# Altium PCB MB1363.PcbDoc (part 1 of 7) (continued)
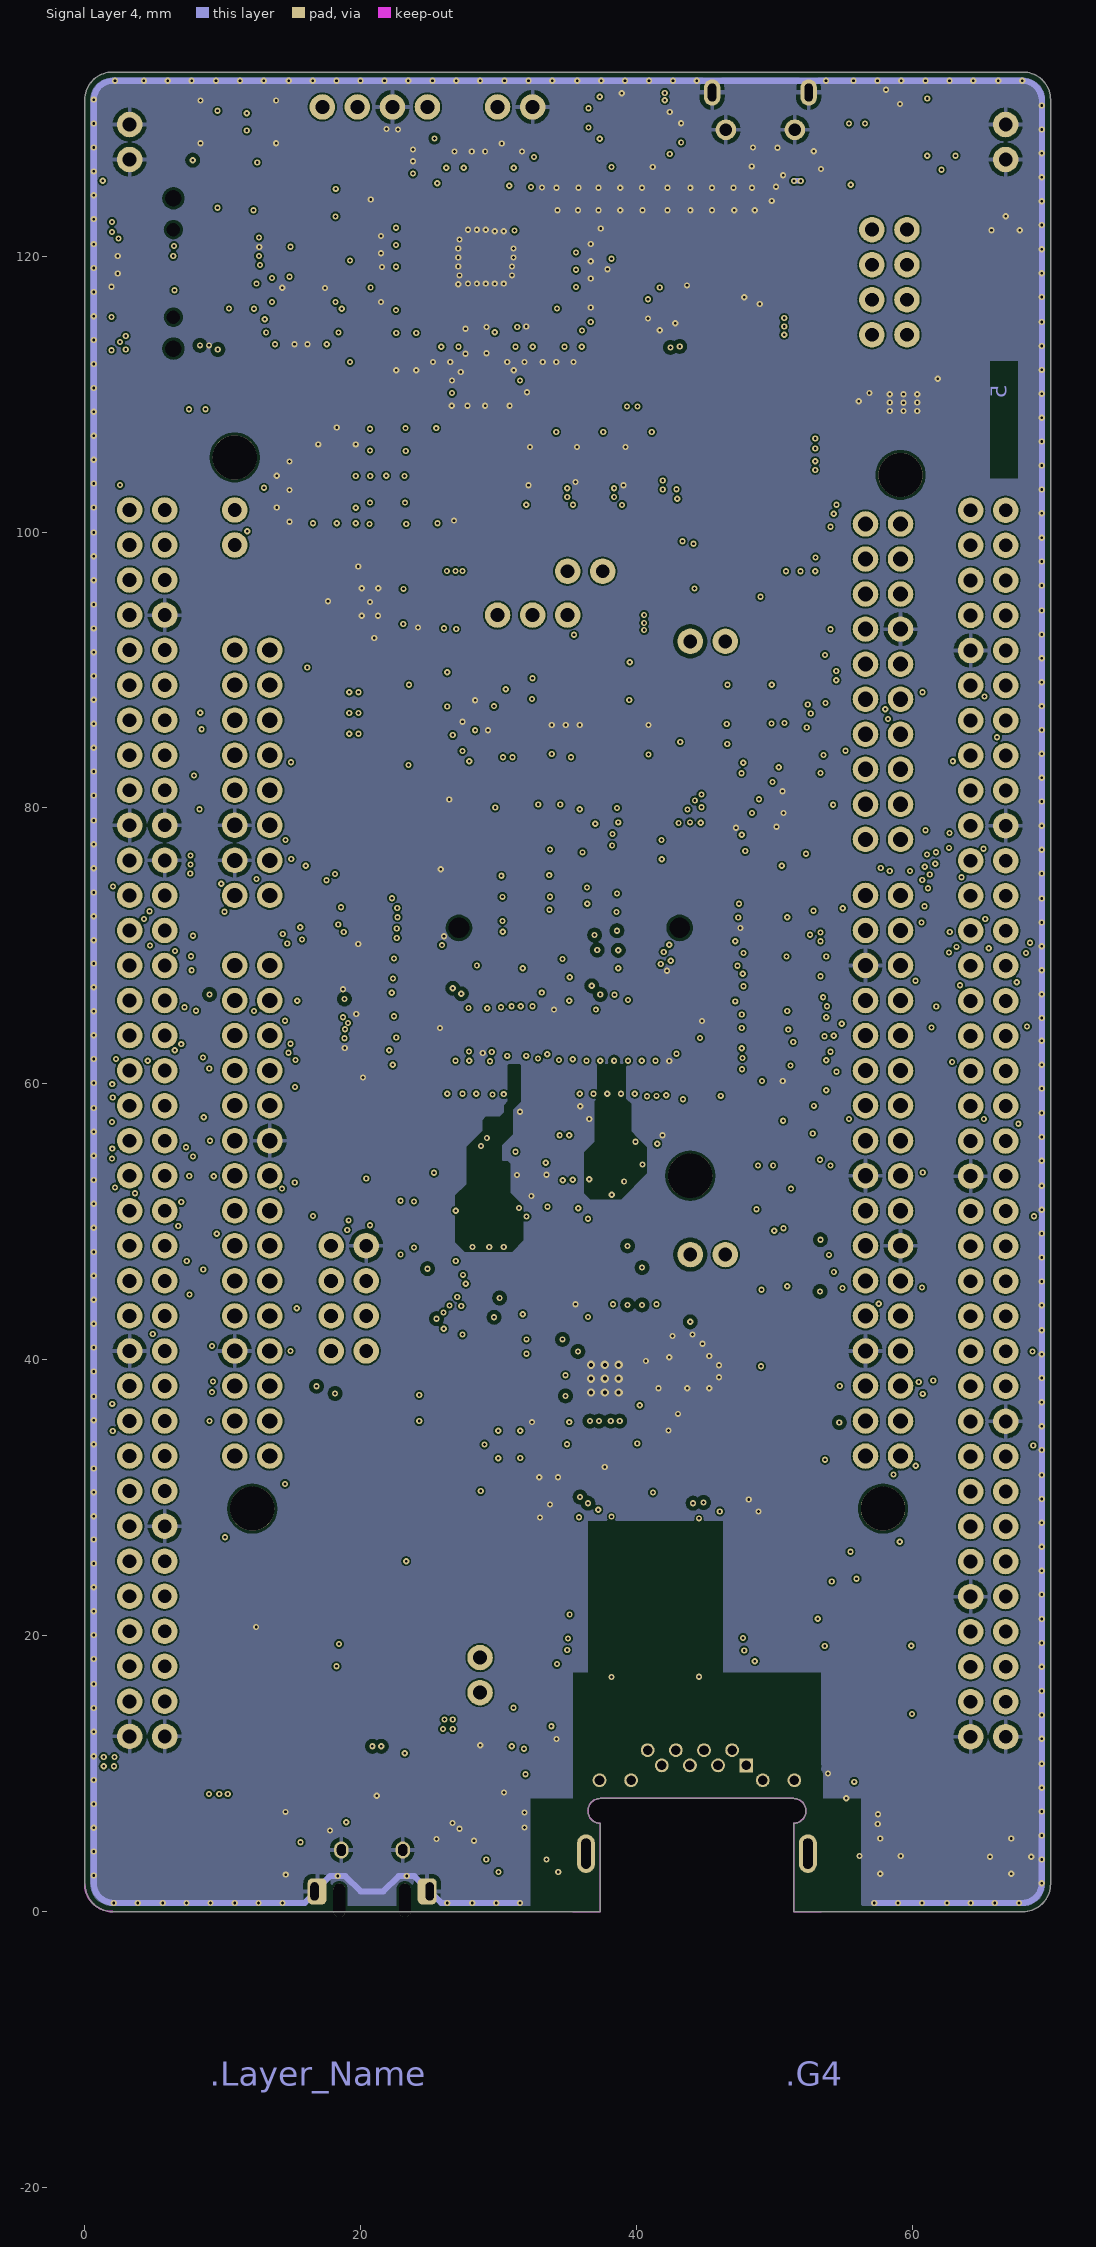
[diagram p5: Signal Layer 4]

## Layer stack, top to bottom
Top Solder: solder mask 0.015, Solder Resist, Dk 3.5
Top Layer: signal copper 0.042
Dielectric 1: prepreg 0.0991, FR-4, Dk 4.2
Signal Layer 1: signal copper 0.0348
Dielectric 2: core 0.1016, Dk 4.2
Signal Layer 2: signal copper 0.0348
Dielectric 3: prepreg 0.9457, Dk 4.2
Signal Layer 3: signal copper 0.0348
Dielectric 4: core 0.1016, Dk 4.2
Signal Layer 4: signal copper 0.0348
Dielectric 5: prepreg 0.0991, Dk 4.2
Bottom Layer: signal copper 0.042
Bottom Solder: solder mask 0.015, Solder Resist, Dk 3.5

## Board outline
0,2 ccw(c2,2) 2,0 37.369,0 37.369,6.4 cw(c37.369,7.3) 36.469,7.3 cw(c37.369,7.3) 37.369,8.2 51.369,8.2 cw(c51.369,7.3) 52.269,7.3 cw(c51.369,7.3) 51.369,6.4 51.369,0 68,0 ccw(c68,2) 70,2 70,131.34 ccw(c68,131.34) 68,133.34 2,133.34 ccw(c2,131.34) 0,131.34

## Design rules (kind name [scope] priority, off if disabled: settings)
BoardOutlineClearance [All] p1: gap=0.4 ignorepadtopadclearanceinfootprint=FALSE
Clearance Clearance_RMII_SINGLE_50R [InNetClass('NC_RMII_SINGLE_50R')] p1: gap=0.12 ignorepadtopadclearanceinfootprint=TRUE except(0.2: Arc-Hole Track-Hole SMDPad-SMDPad SMDPad-THPad SMDPad-Hole THPad-THPad THPad-Hole Via-Via Via-Hole Fill-Hole Poly-Hole Region-Hole Text-Hole; 0.3: Arc-Fill Arc-Poly Track-Track Track-Fill Track-Poly SMDPad-Fill SMDPad-Poly THPad-Fill THPad-Poly Via-Fill Via-Poly Fill-Fill Fill-Poly Poly-Poly)
Clearance Clearance_VCP_ISO300 [InNetClass('NC_VCP_ISO300')] p2: gap=0.12 ignorepadtopadclearanceinfootprint=TRUE except(0.2: Arc-Hole Track-Hole SMDPad-SMDPad SMDPad-THPad SMDPad-Hole THPad-THPad THPad-Hole Via-Via Via-Hole Fill-Hole Poly-Hole Region-Hole Text-Hole; 0.3: Arc-Fill Arc-Poly Track-Track Track-Fill Track-Poly SMDPad-Fill SMDPad-Poly THPad-Fill THPad-Poly Via-Fill Via-Poly Fill-Fill Fill-Poly Poly-Poly)
Clearance Clearance_USB_DIFF_90R [InNetClass('NC_USB_DIFF_90R')] p3: gap=0.12 ignorepadtopadclearanceinfootprint=TRUE except(0.2: Arc-Hole Track-Hole SMDPad-SMDPad SMDPad-THPad SMDPad-Hole THPad-THPad THPad-Hole Via-Via Via-Hole Fill-Hole Poly-Hole Region-Hole Text-Hole; 0.3: Arc-Fill Arc-Poly Track-Fill Track-Poly SMDPad-Fill SMDPad-Poly THPad-Fill THPad-Poly Via-Fill Via-Poly Fill-Fill Fill-Poly Poly-Poly)
Clearance Clearance_RXTX_DIFF_100R [InNetClass('NC_RXTX_DIFF_100R')] p4: gap=0.12 ignorepadtopadclearanceinfootprint=TRUE except(0.2: Arc-Hole Track-Hole SMDPad-SMDPad SMDPad-THPad SMDPad-Hole THPad-THPad THPad-Hole Via-Via Via-Hole Fill-Hole Poly-Hole Region-Hole Text-Hole; 0.3: Arc-Fill Arc-Poly Track-Fill Track-Poly SMDPad-Fill SMDPad-Poly THPad-Fill THPad-Poly Via-Fill Via-Poly Fill-Fill Fill-Poly Poly-Poly)
Clearance Clearance_STLK_ISO200 [InNetClass('NC_STLK_W200-ISO200')] p5: gap=0.12 ignorepadtopadclearanceinfootprint=TRUE except(0.2: Arc-Poly Arc-Hole Track-Track Track-Poly Track-Hole SMDPad-SMDPad SMDPad-THPad SMDPad-Poly SMDPad-Hole THPad-THPad THPad-Poly THPad-Hole Via-Via Via-Poly Via-Hole Fill-Poly Fill-Hole Poly-Poly Poly-Hole Region-Hole Text-Hole; 0.3: Arc-Fill Track-Fill SMDPad-Fill THPad-Fill Via-Fill Fill-Fill)
Clearance [All] p6: gap=0.12 ignorepadtopadclearanceinfootprint=TRUE except(0.2: Arc-Hole Track-Hole SMDPad-SMDPad SMDPad-THPad SMDPad-Hole THPad-THPad THPad-Hole Via-Via Via-Hole Fill-Hole Poly-Hole Region-Hole Text-Hole; 0.3: Arc-Fill Track-Fill SMDPad-Fill THPad-Fill Via-Fill Fill-Fill)
ComponentClearance [All] p1: gap=0 collisioncheckmode=3 verticalgap=0 showdistances=FALSE
DiffPairsRouting DiffPairsRouting_USB_90R [InDifferentialPairClass('DPC_USB_DIFF_90R')] p1: maxlimit=0.252 minlimit=0.226 mostfreqgap=0.226 toplayer_mingap=0.226 toplayer_maxgap=0.226 toplayer_minwidth=0.155 toplayer_maxwidth=0.155 toplayer_prefwidth=0.155 midlayer1_mingap=0.226 midlayer1_maxgap=0.226 midlayer1_minwidth=0.155 midlayer1_maxwidth=0.155 midlayer1_prefwidth=0.155 midlayer2_mingap=0.252 midlayer2_prefgap=0.252 midlayer2_minwidth=0.13 midlayer2_maxwidth=0.13 midlayer2_prefwidth=0.13 midlayer3_maxgap=0.226 midlayer3_prefgap=0.226 midlayer3_minwidth=0.155 midlayer3_maxwidth=0.155 midlayer3_prefwidth=0.155 midlayer4_mingap=0.226 midlayer4_maxgap=0.226 midlayer4_minwidth=0.155 midlayer4_maxwidth=0.155 midlayer4_prefwidth=0.155 bottomlayer_mingap=0.226 bottomlayer_maxgap=0.226 bottomlayer_minwidth=0.155 bottomlayer_maxwidth=0.155 bottomlayer_prefwidth=0.155 maxuncoupledlength=12.7
DiffPairsRouting DiffPairsRouting_RXTX_100R [InDifferentialPairClass('DPC_RXTX_DIFF_100R')] p2: maxlimit=0.277 minlimit=0.252 mostfreqgap=0.277 toplayer_maxgap=0.252 toplayer_prefgap=0.252 toplayer_minwidth=0.11 toplayer_maxwidth=0.13 toplayer_prefwidth=0.13 midlayer1_maxgap=0.252 midlayer1_prefgap=0.252 midlayer1_minwidth=0.13 midlayer1_maxwidth=0.13 midlayer1_prefwidth=0.13 midlayer2_mingap=0.277 midlayer2_minwidth=0.104 midlayer2_maxwidth=0.104 midlayer2_prefwidth=0.104 midlayer3_maxgap=0.252 midlayer3_prefgap=0.252 midlayer3_minwidth=0.13 midlayer3_maxwidth=0.13 midlayer3_prefwidth=0.13 midlayer4_maxgap=0.252 midlayer4_prefgap=0.252 midlayer4_minwidth=0.13 midlayer4_maxwidth=0.13 midlayer4_prefwidth=0.13 bottomlayer_maxgap=0.252 bottomlayer_prefgap=0.252 bottomlayer_minwidth=0.11 bottomlayer_maxwidth=0.13 bottomlayer_prefwidth=0.13 maxuncoupledlength=12.7
FabricationTestPointUsage TestPointUsage [All] p1: valid=0 allowmultiple=FALSE
FabricationTestpoint Testpoint [(IsPad And (OnTopLayer Or OnBottomLayer))] p1: side=3 testpointundercomponent=TRUE minsize=1.016 maxsize=2.54 preferedsize=1.524 minholesize=0 maxholesize=1.016 preferedholesize=0.813 testpointgrid=0.025 allowsidetop=TRUE allowsidebottom=TRUE usegrid=TRUE gridtolerance=0
HoleSize [All] p1: absolutevalues=TRUE maxlimit=3.81 minlimit=0.025 maxpercent=80.000 minpercent=20.000
MaxMinImpedance "Schematic Impedance Constraint_3" [InNet('USB_DEV_HS_P')] p1: minimum=85,00 maximum=95,00
MaxMinImpedance "Schematic Impedance Constraint_2" [InNet('USB_DEV_HS_N')] p2: minimum=85,00 maximum=95,00
MaxMinImpedance "Schematic Impedance Constraint_1" [InNet('USB_DEV_HS_CN_P')] p3: minimum=85,00 maximum=95,00
MaxMinImpedance "Schematic Impedance Constraint" [InNet('USB_DEV_HS_CN_N')] p4: minimum=85,00 maximum=95,00
MinimumSolderMaskSliver [All] p1: minsoldermaskwidth=0
PolygonConnect PolygonConnect_10 [All vs IsNamedPolygon('USB_FS_VBUS_L01_P068')] p1: connectstyle=Direct reliefconductorwidth=0.254 reliefentries=4 polygonreliefangle="90 Angle" airgapwidth=0.254
PolygonConnect PolygonConnect_9 [All vs IsNamedPolygon('5V_L03_P060')] p2: connectstyle=Direct reliefconductorwidth=0.254 reliefentries=4 polygonreliefangle="90 Angle" airgapwidth=0.254
PolygonConnect PolygonConnect_8 [All vs IsNamedPolygon('5V_L01_P058')] p3: connectstyle=Direct reliefconductorwidth=0.254 reliefentries=4 polygonreliefangle="90 Angle" airgapwidth=0.254
PolygonConnect PolygonConnect_7 [All vs IsNamedPolygon('3V3_STLK_L04_P044')] p4: connectstyle=Direct reliefconductorwidth=0.254 reliefentries=4 polygonreliefangle="90 Angle" airgapwidth=0.254
PolygonConnect PolygonConnect_6 [All vs IsNamedPolygon('5V_USB_CHGR_L04_P042')] p5: connectstyle=Direct reliefconductorwidth=0.254 reliefentries=4 polygonreliefangle="90 Angle" airgapwidth=0.254
PolygonConnect PolygonConnect_5 [All vs IsNamedPolygon('5V_L01_P038')] p6: connectstyle=Direct reliefconductorwidth=0.254 reliefentries=4 polygonreliefangle="90 Angle" airgapwidth=0.254
PolygonConnect PolygonConnect_4 [All vs IsNamedPolygon('5V_L01_P038')] p7: thpad.connectstyle=Relief thpad.reliefconductorwidth=0.4 thpad.reliefentries=4 thpad.polygonreliefangle="90 Angle" thpad.airgapwidth=0.4 smdpad.connectstyle=Direct smdpad.reliefconductorwidth=0.254 smdpad.reliefentries=4 smdpad.polygonreliefangle="90 Angle" smdpad.airgapwidth=0.254 via.connectstyle=Direct via.reliefconductorwidth=0.254 via.reliefentries=4 via.polygonreliefangle="90 Angle" via.airgapwidth=0.254
PolygonConnect PolygonConnect_3 [All vs IsNamedPolygon('5V_VIN_L01_P028')] p8: connectstyle=Direct reliefconductorwidth=0.254 reliefentries=4 polygonreliefangle="90 Angle" airgapwidth=0.254
PolygonConnect PolygonConnect_2 [All vs IsNamedPolygon('VIN_L01_P026')] p9: connectstyle=Direct reliefconductorwidth=0.254 reliefentries=4 polygonreliefangle="90 Angle" airgapwidth=0.254
PolygonConnect PolygonConnect_1 [All vs IsNamedPolygon('GND_L01_P024')] p10: connectstyle=Direct reliefconductorwidth=0.254 reliefentries=4 polygonreliefangle="90 Angle" airgapwidth=0.254
PolygonConnect [All] p11: thpad.connectstyle=Relief thpad.reliefconductorwidth=0.3 thpad.reliefentries=4 thpad.polygonreliefangle="90 Angle" thpad.airgapwidth=0.3 smdpad.connectstyle=Relief smdpad.reliefconductorwidth=0.3 smdpad.reliefentries=4 smdpad.polygonreliefangle="90 Angle" smdpad.airgapwidth=0.3 via.connectstyle=Direct via.reliefconductorwidth=0.254 via.reliefentries=4 via.polygonreliefangle="90 Angle" via.airgapwidth=0.254
RoutingLayers RoutingLayers_USB_DIFF_90R [InDifferentialPairClass('DPC_USB_DIFF_90R')] p1: top layer_v5=TRUE mid layer 1_v5=TRUE mid layer 2_v5=TRUE mid layer 3_v5=TRUE mid layer 4_v5=TRUE bottom layer_v5=TRUE
RoutingLayers RoutingLayers_RXTX_DIFF_100R [InDifferentialPairClass('DPC_RXTX_DIFF_100R')] p2: top layer_v5=TRUE mid layer 1_v5=TRUE mid layer 2_v5=TRUE mid layer 3_v5=TRUE mid layer 4_v5=TRUE bottom layer_v5=TRUE
RoutingLayers RoutingLayers_RMII_SINGLE_50R [InNetClass('NC_RMII_SINGLE_50R')] p3: top layer_v5=TRUE mid layer 1_v5=TRUE mid layer 2_v5=TRUE mid layer 3_v5=TRUE mid layer 4_v5=TRUE bottom layer_v5=TRUE
RoutingVias RoutingVias_Default [All] p1: holewidth=0.2 width=0.45 viastyle="Through Hole" minholewidth=0.2 minwidth=0.45 maxholewidth=0.2 maxwidth=0.45
SilkToSilkClearance [All] p1: silktosilkclearance=0.102
SilkToSolderMaskClearance SilkscreenOverComponentPads [IsPad] p1: minsilkscreentomaskgap=0.102 clearancetoexposedcopper=TRUE
SolderMaskExpansion [All] p1: expansion=0.102
Width Width_RMII_SINGLE_50R [InNetClass('NC_RMII_SINGLE_50R')] p1: maxlimit=0.127 minlimit=0.102 preferedwidth=0.127 toplayer_minwidth=0.127 midlayer1_minwidth=0.127 midlayer2_maxwidth=0.102 midlayer2_prefwidth=0.102 midlayer3_minwidth=0.127 midlayer4_minwidth=0.127 bottomlayer_minwidth=0.127 minimp=50.000000 maximp=50.000000 favimp=50.000000
Width Width_POWER_300u [InNetClass('NC_POWER_300u')] p2: maxlimit=10 minlimit=0.12 preferedwidth=0.3 minimp=50.000000 maximp=50.000000 favimp=50.000000
Width Width_GROUND [InNetClass('NC_GROUND')] p3: maxlimit=10 minlimit=0.12 preferedwidth=0.3 minimp=50.000000 maximp=50.000000 favimp=50.000000
Width Width_POWER_500u [InNetClass('NC_POWER_500u')] p4: maxlimit=10 minlimit=0.12 preferedwidth=0.5 minimp=50.000000 maximp=50.000000 favimp=50.000000
Width Width_POWER_SMPS [InNetClass('NC_POWER_SMPS')] p5: maxlimit=10 minlimit=0.12 preferedwidth=0.5 minimp=50.000000 maximp=50.000000 favimp=50.000000
Width Width_STLK_W200 [InNetClass('NC_STLK_W200-ISO200')] p6: maxlimit=10 minlimit=0.2 preferedwidth=0.2 minimp=50.000000 maximp=50.000000 favimp=50.000000
Width [All] p7: maxlimit=10 minlimit=0.12 preferedwidth=0.12 minimp=50.000000 maximp=50.000000 favimp=50.000000
Width Width_RD_N [InNet('RD_N')] p8: maxlimit=10 minlimit=0.11 preferedwidth=0.12 toplayer_maxwidth=0.11 toplayer_prefwidth=0.11 midlayer1_minwidth=0.12 midlayer2_minwidth=0.12 midlayer3_minwidth=0.12 midlayer4_minwidth=0.12 bottomlayer_maxwidth=0.11 bottomlayer_prefwidth=0.11 minimp=50.000000 maximp=50.000000 favimp=50.000000
Width Width_TD_P [InNet('TD_P')] p9: maxlimit=10 minlimit=0.11 preferedwidth=0.12 toplayer_maxwidth=0.11 toplayer_prefwidth=0.11 midlayer1_minwidth=0.12 midlayer2_minwidth=0.12 midlayer3_minwidth=0.12 midlayer4_minwidth=0.12 bottomlayer_maxwidth=0.11 bottomlayer_prefwidth=0.11 minimp=50.000000 maximp=50.000000 favimp=50.000000
21 further rules are at their usual default settings.

## Classes and differential pairs
net class NC_STLK_W200-ISO200: NetR5_1 PH0 STLK_MCO
net class NC_VCP_ISO300: T_VCP_RX T_VCP_TX
net class NC_RMII_SINGLE_50R: RMII_CRS_DV RMII_MDC RMII_MDIO RMII_REF_CLK RMII_RXD0 RMII_RXD1 RMII_TX_EN RMII_TXD0 RMII_TXD1
net class NC_USB_DIFF_90R: USB_DEV_HS_CN_N USB_DEV_HS_CN_P USB_DEV_HS_N USB_DEV_HS_P USB_FS_CN_N USB_FS_CN_P USB_FS_N USB_FS_P
differential pair class DPC_RXTX_DIFF_100R: RD RX TD TX
differential pair class DPC_USB_DIFF_90R: USB_DEV_HS USB_DEV_HS_CN USB_FS USB_FS_CN
net class NC_RXTX_DIFF_100R: RD_N RD_P RX_N RX_P TD_N TD_P TX_N TX_P
net class NC_GROUND: AGND GND
net class NC_POWER_300u: VBAT VDDA VREFP
net class NC_POWER_SMPS: 1V2_MCU 1V2_VOUTCORE VCAP VDD_LDO VDD_MCU VDD_SMPS_IN VDD_SMPS_IND_OUT VDD_SMPS_OUT VOUTVDD
net class NC_POWER_500u: 1V8_VDD 3V3 3V3_PER 3V3_STLK 3V3_VDD 5V 5V_EXT 5V_USB_CHGR 5V_USB_STLK 5V_VIN IOREF USB_FS_VBUS VIN
differential pair USB_FS_CN: +USB_FS_CN_P -USB_FS_CN_N
differential pair RD: +RD_P -RD_N
differential pair RX: +RX_P -RX_N
differential pair TD: +TD_P -TD_N
differential pair TX: +TX_P -TX_N
differential pair USB_DEV_HS_CN: +USB_DEV_HS_CN_P -USB_DEV_HS_CN_N
differential pair USB_DEV_HS: +USB_DEV_HS_P -USB_DEV_HS_N
differential pair USB_FS: +USB_FS_P -USB_FS_N

## Components (designator, comment, footprint, x,y, rotation, side; value= is the part's Value field where it differs from the comment)
B1 "SW-PUSH-CMS_BLUE" SWI_WEALTHMETAL_TD-0341_4P_BLUE 7.767,6.273 r270 top locked value=SW_BLUE
B2 "SW-PUSH-CMS_BLACK" SWI_WEALTHMETAL_TD-0341_4P_BLACK 62.403,6.273 r270 top locked value=SW_BLACK
C1 "Capacitor" C0603 40.448,131.82 r0 top value=1uF
C2 "Capacitor" C0603 12.441,131.279 r180 top value=100nF
C3 "Capacitor" C0603 42.396,128.927 r270 top value=1uF
C4 "Capacitor" C0603 12.441,128.179 r0 top value=100nF
C5 "Capacitor" C0402 24.941,127.729 r0 top value=20pF
C6 "Capacitor" C0402 51.699,127.593 r180 top value=100pF
C7 "Capacitor" C0603 30.216,126.754 r270 top value=2.2uF
C8 "Capacitor" C0402 24.491,126.429 r270 top value=100nF
C9 "Capacitor" C0402 26.791,126.429 r270 top value=100nF
C10 "Capacitor" C0402 28.041,126.429 r270 top value=100nF
C11 "Capacitor" C0402 31.691,126.429 r270 top value=100nF
C12 "Capacitor" C0603 22.225,124.125 r0 top value=2.2uF
C13 "Capacitor" C0603 35.925,122.025 r180 top value=2.2uF
C14 "Capacitor" C0402 22.541,121.454 r0 top value=100nF
C15 "Capacitor" C0402 35.591,120.879 r180 top value=100nF
C16 "Capacitor" C0402 22.541,120.204 r0 top value=100nF
C17 "Capacitor" C0402 35.591,119.629 r180 top value=100nF
C18 "Capacitor" C0603 48.916,118.079 r270 top value=1uF
C19 "Capacitor" C0402 42.791,118.329 r90 top value=10nF
C20 "Capacitor" C0402 47.794,118.32 r90 top value=100nF
C21 "Capacitor" C0402 22.541,118.629 r0 top value=100nF
C22 "Capacitor" C0402 35.591,118.379 r180 top value=100nF
C23 "Capacitor" C0603 41.666,116.179 r90 top value=1uF
C24 "Capacitor" C0402 42.791,116.429 r90 top value=100nF
C25 "Capacitor" C0402 22.541,116.679 r0 top value=100nF
C26 "Capacitor" C0603 14.491,114.454 r0 top value=100nF
C27 "Capacitor" C0603 16.841,114.454 r0 top value=100nF
C28 "Capacitor" C0402 29.716,113.404 r90 top value=100nF
C29 "Capacitor" C0402 25.241,113.404 r90 top value=100nF
C30 "Capacitor" C0402 26.491,113.404 r90 top value=100nF
C31 "Capacitor" C0402 30.616,113.404 r90 top value=100nF
C32 "Capacitor" C0402 31.866,113.404 r90 top value=100nF
C33 "Capacitor" C0402 34.166,113.404 r90 top value=100nF
C34 "Capacitor" C0402 35.416,113.404 r90 top value=100nF
C35 "Capacitor" C0603 22.566,113.079 r90 top value=4.7uF
C36 "Capacitor" C0603 24.016,113.079 r90 top value=1uF
C37 "Capacitor" C0402 27.241,110.529 r270 top value=100nF
C38 "Capacitor" C0402 62.266,110.404 r180 top value=100nF
C39 "Capacitor" C0603 56.866,108.779 r270 top value=4.7uF
C40 "Capacitor" C0603 61.816,108.779 r270 top value=4.7uF
C41 "Capacitor" C0805 15.691,104.074 r0 top value=10uF
C42 "Capacitor" C0805 15.691,101.774 r0 top value=10uF
C43 "Capacitor" C0603 21.266,97.504 r180 top value=4.7uF
C44 "Capacitor" C0402 18.316,95.429 r270 top value=100nF
C45 "Capacitor" C0603 22.375,92.325 r0 top value=4.7uF
C46 "Capacitor" C0402 27.366,85.129 r270 top value=100nF
C47 "Capacitor" C0402 33.839,84.879 r270 top value=100nF
C48 "Capacitor" C0402 34.866,84.879 r270 top value=100nF
C49 "Capacitor" C0402 35.866,84.879 r270 top value=100nF
C50 "Capacitor" C0402 40.866,84.879 r270 top value=100nF
C51 "Capacitor" C0402 29.216,84.579 r90 top value=100nF
C52 "Capacitor" C0402 50.116,80.629 r180 top value=100nF
C53 "Capacitor" C0402 49.616,79.629 r0 top value=100nF
C54 "Capacitor" C0402 49.116,78.629 r180 top value=100nF
C55 "Capacitor" C0402 48.616,72.129 r180 top value=100nF
C56 "Capacitor" C0402 21.066,71.029 r0 top value=100nF
C57 "Capacitor" C0402 21.066,70.129 r0 top value=100nF
C58 "Capacitor" C0402 20.716,64.904 r0 top value=100nF
C59 "Capacitor" C0402 20.616,61.129 r0 top value=100nF
C60 "Capacitor" C0603 49.066,60.204 r180 top value=100nF
C61 "Capacitor" C0402 49.341,59.079 r0 top value=100nF
C62 "Capacitor" C0402 50.716,58.529 r90 top value=100nF
C63 "Capacitor" C0603 29.466,57.754 r90 top value=1uF
C64 "Capacitor" C0402 32.616,58.379 r0 top value=220pF
C65 "Capacitor" C0402 34.866,58.379 r180 top value=10uF
C66 "Capacitor" C0603 40.516,57.629 r90 top value=100nF
C67 "Capacitor" C0603 41.866,57.629 r90 top value=4.7uF
C68 "Capacitor" C0402 35.116,57.129 r180 top value=10uF
C69 "Capacitor" C0603 44.016,56.229 r270 top value=1uF
C70 "Capacitor" C0603 45.316,56.229 r90 top value=100nF
C71 "Capacitor" C0402 42.941,56.479 r90 top value=100nF
C72 "Capacitor" C0603 47.466,56.104 r270 top value=1uF
C73 "Capacitor" C0402 46.391,56.354 r90 top value=100nF
C74 "Capacitor" C0402 39.766,54.604 r270 top value=5.6pF
C75 "Capacitor" C0603 32.366,53.379 r90 top value=10uF
C76 "Capacitor" C0402 37.741,52.929 r0 top value=5.6pF
C77 "Capacitor" C0603 28.016,49.154 r180 top value=5.1pF
C78 "Capacitor" C0603 30.616,49.154 r0 top value=5.1pF
C79 "Capacitor" C0603 37.091,43.179 r270 top value=100nF
C80 "Capacitor" C0402 41.291,41.529 r180 top value=1uF
C81 "Capacitor" C0402 43.591,41.179 r180 top value=5.6pF
C82 "Capacitor" C0402 41.291,40.604 r180 top value=470pF
C83 "Capacitor" C0402 45.266,39.154 r270 top value=5.6pF
C84 "Capacitor" C0603 41.541,36.079 r180 top value=100nF
C85 "Capacitor" C0603 33.766,35.479 r180 top value=100nF
C86 "Capacitor" C0603 32.941,33.179 r90 top value=100nF
C87 "Capacitor" C0603 34.291,33.179 r90 top value=10uF
C88 "Capacitor" C0603 34.396,28.566 r0 top value=100nF
C89 "Capacitor" C0603 47.429,29.009 r180 top value=100nF
C90 "Capacitor" C1206_H1P6 32.466,21.529 r0 top value=1nF
C91 "Capacitor" C0603 26.641,7.879 r90 top value=4.7uF
CN1 "USB_uB_105017.0001" CON_USBMICROB_MOLEX_105017-0001_H2P90 48.966,133.308 r180 top locked value=USB_uB_105017-0001
CN2 "Header 4x1" CON_SAMTEC_TSW-104-07-G-S 21.026,130.809 r0 top
CN3 "Jumper_Header 2x1" CON_SAMTEC_TSW-102-09-X-S 3.246,128.269 r270 bottom locked value="Header 2x1 16mm"
CN4 "Jumper_Header 2x1" CON_SAMTEC_TSW-102-09-X-S 66.746,128.269 r270 bottom locked value="Header 2x1 16mm"
CN5 "Header 7x2" CON_STDC14_Receiver_MEDIUM_WITH_MIPI10_3D 6.421,118.744 r270 top value="MIPI10 on STDC14 footprint"
CN6 "Jumper_Header 4x2" CON_SAMTEC_TSW-104-07-X-D 19.121,44.449 r90 top value=Jumper_Header_4x2
CN7 "Socket 10x2_N144_ARD" CON_SAMTEC_SSW-110-23-X-D_N144_ARD 57.856,89.153 r90 top locked
CN8 "Socket 8x2_N144_ARD" CON_SAMTEC_SSW-108-23-X-D_N144_ARD 12.136,82.549 r90 top locked
CN9 "Socket 15x2_N144_ARD" CON_SAMTEC_SSW-115-23-X-D_N144_ARD 12.136,50.799 r90 top locked
CN10 "Socket 17x2_N144_ARD" CON_SAMTEC_SSW-117-23-X-D_N144_ARD 57.856,53.339 r90 top locked
CN11 "Header 35x2" CON_SAMTEC_TSW-135-07-X-D 4.516,58.419 r270 top locked
CN12 "Header 35x2" CON_SAMTEC_TSW-135-07-X-D 65.476,58.394 r270 top locked
CN13 "USB_uAB_47590.0001" CON_USBMICROAB_MOLEX_47590-0001_H3 20.823,0.014 r0 top locked value="USB uAB ZX62RD-AB-5P8(30)"
CN14 "RJ45_KRJ-CB4.2GYZNL" CON_RJ45_DGKYD_KRJ-CB4.2GYZNL 44.369,0 r0 top locked value=KRJ-CB4.2GYZNL
CN15 "Jumper_Header 2x1" CON_SAMTEC_TSW-102-09-X-S 65.476,12.674 r180 bottom locked value="Header 2x1 16mm"
CN16 "Jumper_Header 2x1" CON_SAMTEC_TSW-102-09-X-S 4.516,12.699 r180 bottom value="Header 2x1 16mm"
D1 "BAT60JFILM" DIO_SOD323 51.5,119.5 r180 bottom
D2 "BAT60JFILM" DIO_SOD323 51.5,117 r180 bottom
D3 "BAT60JFILM" DIO_SOD323 51.5,113 r180 bottom
Designator1 "Comment" Sheetbox_6L2S 0.04,-24.86 r0 top
JP1 "Jumper_Header 2x1" CON_SAMTEC_TSW-102-07-G-S 31.186,130.809 r180 top value="Shunt not fitted"
JP2 "Jumper_Header 4x2 Fitted 1-2" CON_SAMTEC_TSW-104-07-X-D 58.32,118.109 r270 top locked value="Shunt Fitted 1-2"
JP3 "Jumper_Header 2x1 Fitted" CON_SAMTEC_TSW-102-07-G-S 10.866,100.329 r270 top value="Shunt Fitted"
JP4 "Jumper_Header 2x1 Fitted" CON_SAMTEC_TSW-102-07-G-S 36.266,97.154 r180 top value="Shunt Fitted"
JP5 "Jumper_Header 3x1 Fitted 1-2" CON_SAMTEC_TSW-103-07-F-S 32.456,93.979 r180 top value="Shunt Fitted 1-2"
JP6 "Jumper_Header 2x1 Fitted" CON_SAMTEC_TSW-102-07-G-S 45.156,92.074 r180 top value="Shunt Fitted"
JP7 "Jumper_Header 2x1 Fitted" CON_SAMTEC_TSW-102-07-G-S 45.156,47.624 r0 top value="Shunt Fitted"
JP8 "Jumper_Header 2x1 Fitted" CON_SAMTEC_TSW-102-07-G-S 28.646,17.144 r90 top value="Shunt Fitted"
L1 "Inductor" L0805_H0P9 32.616,56.129 r270 top value="2.2uH, 1.2A"
L2 "BEAD" L0603 30.766,33.854 r180 top value=600R@100MHz
LD1 "LED_green" LED_0603_OSRAM_LG-Q396-PS-35_GREEN_1A2K_H0P4 40.141,106.497 r90 top locked value=GREEN
LD2 "LED_yellow" LED_0603_OSRAM_LY-Q396-P1Q2-36_YELLOW_1A2K_H0P4 36.616,106.497 r90 top value=YELLOW
LD3 "LED_red" LED_0603_OSRAM_LS-Q976-NR-1_RED_1A2K_H0P8 33.208,106.497 r90 top value=RED
LD4 "LD_BICOLOR_CMS" LED_BI-GR_HSMF-A201-A00J1 57.316,129.529 r180 top
LD5 "LED_green" LED_0603_OSRAM_LG-Q396-PS-35_GREEN_1A2K_H0P4 66.746,121.119 r90 top value=GREEN
LD6 "LED_red" LED_0603_RED 62.091,130.679 r90 top value=RED
LD7 "LED_red" LED_0603_VISHAY_VLMS1300-GS08_RED_1A2K_H0P8 27.866,2.729 r90 top value=RED